# KiCad board klofi_3x5.kicad_pcb (continued)
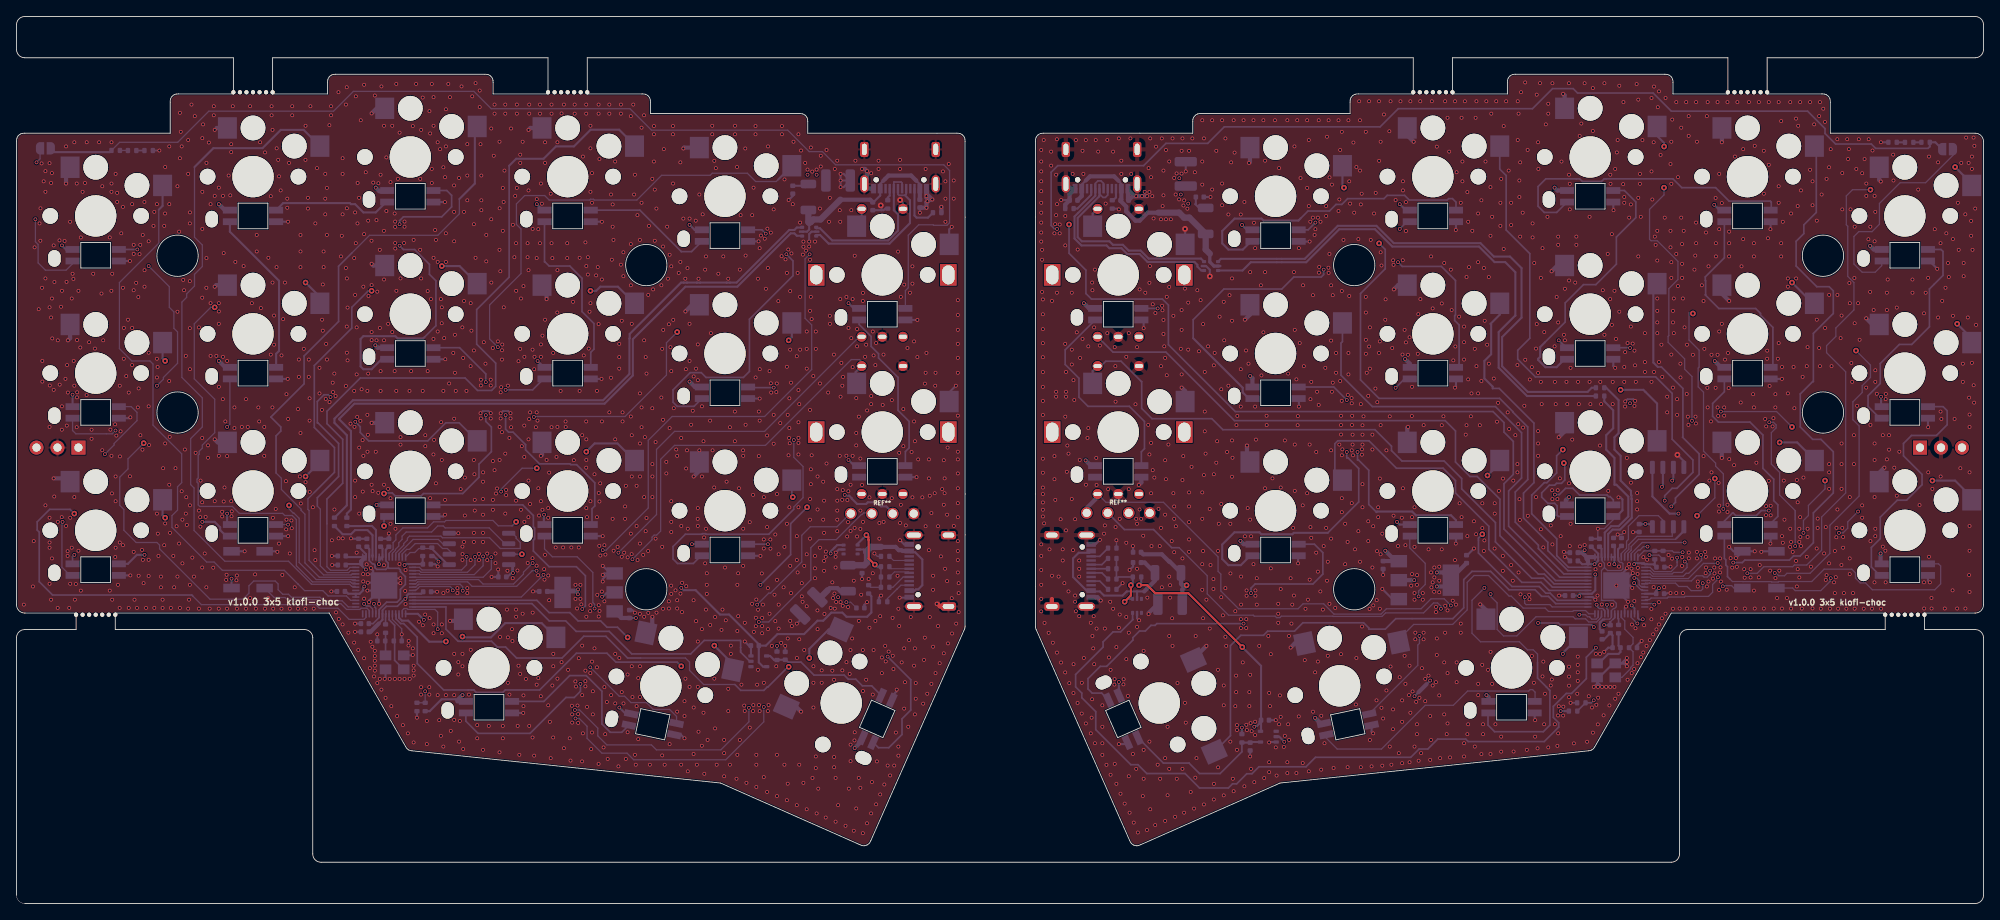
[diagram p0: board, top side]
## Routing (per net, layer and track width the routed paths; a pad name or vN(x,y) marks a point on that pad's centre or on a via; arc(x,y) is an arc through that point) (continued)
  Back w0.508: v1(6.23,68.25) 6.49,68.51 SW8.2 ; v1(102.39,89.02) 102.73,89.02 v1(103,88.75) 103,87.54 ; v1(62,93.75) 62.24,93.99 SW5.2 ; J3.B1 110.19,86.02 v1(110.89,85.32) ; J3.B1 v1(110.19,85.72) 110.19,85.55 110.41,85.32 v1(110.89,85.32) ; J3.B1 110.19,85.82 ; v1(63.5,54.25) 63.64,54.39 SW17.2 ; J3.A1 103.24,86.63 J3.S1 ; SW9.2 24.19,74.94 v1(24,74.75) ; SW3.2 24.24,93.99 ; v1(24,56.25) 24.36,55.89 SW15.2 ; R6.1 112,84.41 v1(111.99,84.42) ; 64.19,74.06 v1(64.19,73.25) ; v1(80.75,91.5) 80.85,91.6 SW6.2 ; SW21.2 94.4,23.85 v1(95,23.25) ; SW18.2 82.69,52.44 v1(82,51.75) ; SW12.2 81.8,72.55 v1(81,71.75) ; v1(43,77.52) 43.2,77.32 SW10.2 ; v1(110.89,85.32) 110.59,85.32 110.37,85.1 v1(110.3,85.1) 110.19,84.99 v1(110.19,84.32) 109.56,84.32 109.54,84.34 C7.2 ; v1(52.5,34.25) 53.91,34.25 ; v1(4.5,51.52) 6.09,51.52 ; 76.98,34.73 76.98,33.56 ; v1(6,87.25) 6,88.74 ; v1(43,58.25) 44.57,58.25 ; 43.62,96.37 v1(43,95.75)
  vias: v1(0.89,36.22) v1(1.99,38.42) v1(2.09,43.92) v1(2.19,79.52) v1(2.69,72.02) v1(2.79,82.42) v1(2.9,84.25) v1(2.89,80.32) v1(3.04,89.69) v1(3.09,74.62) v1(3.13,65.75) v1(3.13,63.25) v1(3.29,87.52) v1(3.5,88.75) v1(3.5,86.25) v1(3.5,75.75) v1(3.5,48.25) v1(4,89.72) v1(4,72.25) v1(4.03,62.78) v1(4,57.75) v1(4,46.75) v1(4,43.75) v1(4,43.12) v1(4,38.75) v1(4.19,87.32) v1(4.19,71.02) v1(4.19,36.82) v1(4.29,88.52) v1(4.29,73.32) v1(4.33,68.48) v1(4.29,41.82) v1(4.5,79.75) v1(4.5,62.25) v1(4.57,49.32) v1(4.59,75.32) v1(5,68.25) v1(5,46.25) v1(4.99,35.82) v1(5.2,80.36) v1(5.23,62.88) v1(5.39,72.32) v1(5.5,74.25) v1(5.5,60.25) v1(5.49,57.42) v1(5.48,46.82) v1(5.82,80.29) v1(5.93,63.58) v1(6,91.75) v1(6.06,75.33) v1(6,45.75) v1(6.13,65.25) v1(6.09,57.92) v1(6.22,61.92) v1(6.19,42.69) v1(6.19,42.12) v1(6.39,35.82) v1(6.49,82.62) v1(6.51,46.75) v1(6.5,38.75) v1(6.69,73.32) v1(6.69,43.12) v1(6.79,76.32) v1(6.89,75.69) v1(6.93,65.75) v1(7,92.25) v1(7,62.75) v1(7,49.25) v1(7.07,36.83) v1(7.19,38.72) v1(7.29,87.25) v1(7.33,68.28) v1(7.35,61.95) v1(7.32,61.34) v1(7.29,57.72) v1(7.5,74.25) v1(7.5,42.75) v1(7.73,67.38) v1(7.79,80.72) v1(7.79,37.92) v1(8,86.25) v1(8.29,87.32) v1(8.5,92.25) v1(8.49,61.62) v1(8.79,68.02) v1(9.09,57.42) v1(9.09,56.32) v1(9.29,76.32) v1(9.5,67.25) v1(10,92.25) v1(10.29,73.92) v1(10.39,86.92) v1(10.38,54.93) v1(10.5,68.25) v1(11.29,80.72) v1(11.37,57.42) v1(11.29,37.92) v1(11.5,92.25) v1(11.5,87.25) v1(11.5,86.25) v1(11.49,74.25) v1(11.5,54.25) v1(11.55,49.7) v1(11.59,76.32) v1(11.59,36.82) v1(11.94,58.07) v1(11.96,41.99) v1(12,88.42) v1(12,51.75) v1(12,48.75) v1(12,43.12) v1(12.09,56.7) v1(12.19,86.12) v1(12.19,85.02) v1(12.29,38.62) v1(12.5,62.75) v1(12.53,54.18) v1(12.5,43.75) v1(12.49,35.82) v1(12.6,57.22) v1(12.69,81.22) v1(12.89,84.42) v1(12.89,74.62) v1(12.89,43.42) v1(13,69.75) v1(12.99,66.02) v1(13.29,63.92) v1(13.5,70.75) v1(13.59,61.92) v1(13.59,35.82) v1(14,84.75) v1(14,69.75) v1(14,65.25) v1(14.19,79.82) v1(14.19,78.72) v1(14.19,74.32) v1(14.19,42.62) v1(14.29,36.82) v1(14.49,75.22) v1(14.59,35.82) v1(14.75,73.5) v1(14.69,60.12) v1(14.79,62.42) v1(14.79,39.72) v1(14.9,78.7) v1(14.99,79.82) v1(15,56.75) v1(15.25,55) v1(15.2,42.85) v1(15.29,81.02) v1(15.3,41.65) v1(15.39,38.82) v1(15.49,85.02) v1(15.5,76.75) v1(15.5,74.75) v1(15.69,35.82) v1(16,80.25) v1(16,66.75) v1(16,60.25) v1(16.05,55.55) v1(16,41.65) v1(16,39.69) v1(16.59,82.12) v1(16.69,83.82) v1(16.69,35.82) v1(17,84.75) v1(17,66.02) v1(17,63.75) v1(17,47.25) v1(17.09,65.02) v1(17.11,44.82) v1(17.19,42.12) v1(17.49,39.62) v1(17.49,38.32) v1(17.75,52.75) v1(17.69,36.82) v1(17.69,35.82) v1(17.89,82.12) v1(17.89,43.42) v1(18,89.25) v1(17.99,83.62) v1(18,55.75) v1(18,46.06) v1(18.5,91.75) v1(18.5,84.75) v1(18.49,63.32) v1(18.55,56.55) v1(18.5,50.75) v1(18.59,44.92) v1(18.69,35.82) v1(18.99,42.12) v1(19.09,38.32) v1(19.25,52.75) v1(19.39,45.72) v1(19.49,86.92) v1(19.49,71.72) v1(19.49,39.62) v1(19.69,81.42) v1(19.69,43.62) v1(19.79,95.82) v1(19.79,90.32) v1(19.79,35.82) v1(19.89,93.52) v1(20,91.75) v1(20,49.96) v1(20.09,46.52) v1(20.09,41.22) v1(20.19,75.57) v1(20.29,74.32) v1(20.39,55.02) v1(20.5,66.36) v1(20.56,49.23) v1(20.5,47.25) v1(20.63,45.88) v1(20.79,92.52) v1(20.79,88.42) v1(20.79,35.73) v1(20.89,36.82) v1(21,83.75) v1(20.99,82.42) v1(20.99,75.42) v1(20.99,69.72) v1(21,64.75) v1(21,48.25) v1(20.99,38.62) v1(21.19,96.82) v1(21.29,41.92) v1(21.49,39.62) v1(21.59,95.42) v1(21.69,54.62) v1(22.09,69.82) v1(22.09,47.62) v1(22.09,35.73) v1(22.25,46.82) v1(22.27,45.67) v1(22.29,51.25) v1(22.5,92.75) v1(22.5,86.25) v1(22.5,81.75) v1(22.49,73.42) v1(22.49,56.42) v1(22.49,48.62) v1(22.49,40.72) v1(22.59,94.42) v1(22.79,42.42) v1(22.9,46.85) v1(23,89.75) v1(23,78.22) v1(22.99,74.62) v1(22.99,38.32) v1(23.19,55.52) v1(23.19,54.02) v1(23.29,92.22) v1(23.39,35.73) v1(23.5,84.75) v1(23.5,72.75) v1(23.5,66.36) v1(23.83,40.7) v1(23.89,96.62) v1(23.89,95.52) v1(24,85.75) v1(24,48.75) v1(24.2,66.36) v1(24.5,86.75) v1(24.5,72.75) v1(24.5,71.75) v1(24.5,70.25) v1(24.5,62.62) v1(24.5,54.25) v1(24.49,35.73) v1(24.9,47.48) v1(24.9,46.9) v1(25,85.75) v1(25,66.25) v1(24.99,61.12) v1(25.09,78.82) v1(25.09,48.72) v1(25.19,50.42) v1(25.29,58.42) v1(25.44,39.84) v1(25.39,39.22) v1(25.5,65.75) v1(25.5,54.22) v1(25.49,35.73) v1(25.69,88.22) v1(25.89,85.82) v1(26,92.02) v1(26,91.06) v1(26,48.75) v1(26.06,47.52) v1(26.04,46.93) v1(26.19,96.62) v1(26.39,60.12) v1(26.39,57.62) v1(26.5,77.75) v1(26.63,39.17) v1(26.69,39.75) v1(26.69,35.73) v1(27.28,57.75) v1(27.5,77.25) v1(27.79,61.12) v1(27.79,35.73) v1(28,57.75) v1(28.29,96.62) v1(28.29,37.02) v1(28.5,72.75) v1(28.89,39.89) v1(28.99,35.73) v1(29.09,81.02) v1(29.09,79.02) v1(29.29,60.12) v1(29.39,58.42) v1(29.5,92.25) v1(29.59,72.16) v1(30,57.75) v1(30,54.25) v1(30.09,91.02) v1(30.09,35.73) v1(30.5,78.25) v1(30.49,37.02) v1(30.79,85.72) v1(30.79,66.52) v1(30.89,96.62) v1(30.89,95.52) v1(31,93.75) v1(31,75.25) v1(30.99,60.12) v1(31.05,46.74) v1(31.09,35.73) v1(31.19,71.25) v1(31.19,67.72) v1(31.39,47.82) v1(31.5,91.52) v1(31.49,77.12) v1(31.69,90.12) v1(31.79,88.12) v1(31.79,43.62) v1(31.99,86.42) v1(32.09,66.42) v1(32.09,35.73) v1(32.19,39.82) v1(32.29,70.82) v1(32.5,75.25) v1(32.63,51.18) v1(32.66,45.34) v1(32.69,61.72) v1(32.69,46.52) v1(32.79,85.42) v1(32.79,84.32) v1(32.89,58.72) v1(33,89.75) v1(33.09,42.42) v1(33.09,35.73) v1(33.29,46.42) v1(33.33,45.48) v1(33.39,96.62) v1(33.39,95.52) v1(33.69,38.32) v1(34.09,59.92) v1(34.09,35.73) v1(34.19,65.92) v1(34.19,63.82) v1(34.31,51.75) v1(34.39,81.02) v1(34.39,79.02) v1(34.39,77.12) v1(34.39,57.02) v1(34.43,48.48) v1(34.79,67.22) v1(35,94.25) v1(34.99,90.12) v1(35,51.06) v1(34.99,35.73) v1(35.29,85.52) v1(35.29,84.22) v1(35.39,65.92) v1(35.39,63.82) v1(35.49,61.22) v1(35.49,58.52) v1(35.5,49.88) v1(35.59,96.62) v1(35.89,48.02) v1(35.99,35.73) v1(36.09,42.82) v1(36.19,82.42) v1(36.19,41.62) v1(36.39,89.12) v1(36.69,64.92) v1(36.69,61.82) v1(37,70.75) v1(36.99,59.82) v1(37.09,75.02) v1(37.09,69.42) v1(37.19,79.02) v1(37.19,77.12) v1(37.39,88.42) v1(37.39,85.42) v1(37.39,83.52) v1(37.44,61.15) v1(37.49,67.82) v1(37.59,86.72) v1(37.59,81.02) v1(37.59,65.92) v1(37.89,94.32) v1(37.9,60.77) v1(38.09,96.62) v1(38.09,95.52) v1(38.19,44.02) v1(38.29,63.12) v1(38.33,61.98) v1(38.49,64.22) v1(38.5,47.75) v1(38.64,61.5) v1(38.69,35.28) v1(38.99,98.32) v1(39,44.25) v1(39.03,34.48) v1(39.29,78.42) v1(39.39,80.92) v1(39.49,90.32) v1(39.49,88.42) v1(39.49,83.52) v1(39.5,44.25) v1(39.49,33.82) v1(39.89,96.82) v1(39.89,77.02) v1(39.89,62.72) v1(39.99,98.92) v1(40,84.25) v1(40,75.75) v1(39.99,69.92) v1(40,66.75) v1(40.09,72.22) v1(40.09,65.82) v1(40.19,32.82) v1(40.44,58.15) v1(40.89,78.22) v1(40.89,62.12) v1(40.92,57.76) v1(40.89,31.62) v1(41,83.75) v1(41,73.75) v1(41,51.25) v1(41,49.25) v1(41.09,97.82) v1(41.09,80.02) v1(41.19,69.82) v1(41.19,64.12) v1(41.26,58.96) v1(41.19,42.52) v1(41.31,87.32) v1(41.29,82.42) v1(41.39,30.72) v1(41.49,85.52) v1(41.5,55.25) v1(41.5,47.25) v1(41.64,58.48) v1(41.69,94.92) v1(41.79,62.32) v1(41.91,56.16) v1(41.92,49.92) v1(41.97,39.92) v1(42,74.75) v1(42,54.25) v1(41.99,39.03) v1(42.09,99.22) v1(42.09,81.12) v1(42.09,36.94) v1(42.09,29.72) v1(42.29,88.62) v1(42.4,41.1) v1(42.49,62.12) v1(42.49,59.22) v1(42.55,56.8) v1(42.5,54.75) v1(42.59,82.75) v1(42.62,73.63) v1(42.59,64.22) v1(42.79,28.52) v1(42.89,31.72) v1(42.99,80.32) v1(43,74.94) v1(43,69.25) v1(43,68.27) v1(43,50.75) v1(43.12,49.97) v1(43.09,31.12) v1(43.2,87.36) v1(43.29,27.52) v1(43.39,97.92) v1(43.39,30.62) v1(43.39,29.99) v1(43.39,29.42) v1(43.39,28.82) v1(43.39,28.22) v1(43.5,54.75) v1(43.59,82.82) v1(43.6,68.25) v1(43.69,74.15) v1(43.69,26.72) v1(43.82,87.29) v1(43.81,49.78) v1(43.99,79.22) v1(44,69.75) v1(43.99,27.22) v1(44.09,88.32) v1(44.09,64.52) v1(44.09,62.12) v1(44.19,99.02) v1(44.19,25.92) v1(44.5,94.25) v1(44.49,81.52) v1(44.5,75.62) v1(44.5,68.25) v1(44.5,50.75) v1(44.5,40.99) v1(44.69,24.92) v1(44.79,90.42) v1(44.79,83.92) v1(45,70.25) v1(45,50.25) v1(45.19,27.22) v1(45.29,87.42) v1(45.29,49.12) v1(45.29,46.02) v1(45.39,23.92) v1(45.5,94.25) v1(45.5,69.25) v1(45.79,83.62) v1(45.85,82.64) v1(45.85,82) v1(45.85,80.04) v1(45.87,79.37) v1(45.79,64.52) v1(45.81,27.22) v1(45.89,45.42) v1(45.99,99.32) v1(46,74.25) v1(45.99,62.12) v1(46.09,22.72) v1(46.19,87.82) v1(46.37,41.13) v1(46.39,93.42) v1(46.39,27.22) v1(46.5,75.75) v1(46.5,56.52) v1(46.5,55.61) v1(46.79,21.62) v1(46.92,80.04) v1(46.99,82.64) v1(46.99,82.02) v1(47.07,37.87) v1(46.99,27.22) v1(47.11,40.41) v1(47.11,36.29) v1(47.47,31.27) v1(47.39,20.62) v1(47.49,31.82) v1(47.59,62.12) v1(47.61,27.22) v1(47.79,64.52) v1(47.99,94.22) v1(47.99,30.92) v1(48.09,80.42) v1(48.09,28.82) v1(48.09,28.24) v1(48.09,27.62) v1(48.09,19.52) v1(48.39,99.32) v1(48.74,34.15) v1(48.89,87.82) v1(48.89,79.22) v1(49,93.75) v1(49,75.75) v1(48.99,26.22) v1(48.99,25.32) v1(49.19,97.67) v1(49.19,62.12) v1(49.2,33.72) v1(49.5,56.75) v1(49.5,55.42) v1(49.49,35.02) v1(49.69,22.12) v1(49.69,19.32) v1(49.79,74.22) v1(49.79,64.52) v1(50,96.02) v1(50.03,34.58) v1(49.99,26.22) v1(49.99,25.32) v1(50.09,93.32) v1(50.09,49.12) v1(50.19,73.25) v1(50.29,99.32) v1(50.29,89.02) v1(50.29,87.32) v1(50.5,97.72) v1(50.5,94.25) v1(50.5,78.25) v1(50.49,68.42) v1(50.56,56.19) v1(50.49,54.42) v1(50.5,33.82) v1(50.5,32.75) v1(50.69,81.62) v1(50.79,80.42) v1(50.79,50.92) v1(51,92.25) v1(51,77.75) v1(51,69.32) v1(51,25.25) v1(51.19,22.22) v1(51.29,91.42) v1(51.39,73.25) v1(51.42,58.33) v1(51.39,20.32) v1(51.5,72.25) v1(51.49,70.32) v1(51.5,53.75) v1(51.5,33.82) v1(51.5,32.75) v1(51.69,89.22) v1(51.69,62.12) v1(51.69,37.62) v1(51.69,19.02) v1(51.79,68.52) v1(51.89,88.02) v1(51.89,48.92) v1(52,96.25) v1(52,91.75) v1(51.99,81.22) v1(52,77.75) v1(52,25.25) v1(52.2,37.91) v1(52.29,99.32) v1(52.39,63.02) v1(52.49,97.72) v1(52.59,20.92) v1(52.89,66.72) v1(52.99,87.02) v1(52.99,83.82) v1(53,80.25) v1(53,58.75) v1(53,30.25) v1(53,25.25) v1(53,22.25) v1(53.09,68.92) v1(53.09,64.32) v1(53.19,62.12) v1(53.39,38.22) v1(53.39,37.62) v1(53.5,29.25) v1(53.5,27.75) v1(53.59,87.92) v1(53.59,19.62) v1(53.69,22.12) v1(53.79,50.22) v1(53.89,99.02) v1(53.99,69.82) v1(54,43.25) v1(54.01,42.34) v1(54,41.64) v1(54,30.25) v1(54,28.75) v1(54.09,66.12) v1(54.09,18.72) v1(54.19,83.82) v1(54.19,73.02) v1(54.19,43.82) v1(54.29,51.62) v1(54.29,47.02) v1(54.49,62.12) v1(54.59,92.02) v1(54.59,88.22) v1(54.59,85.22) v1(54.59,38.22) v1(54.59,37.62) v1(54.79,25.32) v1(55,72.75) v1(54.99,65.12) v1(54.99,41.62) v1(55,30.75) v1(55.09,69.42) v1(55.19,97.82) v1(55.39,82.32) v1(55.39,67.02) v1(55.39,53.75) v1(55.45,52.02) v1(55.39,44.92) v1(55.39,43.82) v1(55.49,48.92) v1(55.49,47.62) v1(55.59,99.42) v1(55.59,78.25) v1(55.79,21.62) v1(55.79,20.02) v1(56,42.38) v1(56,41.62) v1(56.09,98.52) v1(56.09,96.52) v1(56.19,92.02) v1(56.23,63.48) v1(56.23,62.78) v1(56.23,58.78) v1(56.29,88.22) v1(56.29,85.22) v1(56.29,84.02) v1(56.5,52.25) v1(56.49,51.12) v1(56.49,49.02) v1(56.49,47.12) v1(56.49,44.92) v1(56.49,43.82) v1(56.49,18.62) v1(56.59,68.02) v1(56.79,65.42) v1(56.89,81.02) v1(56.89,77.82) v1(57,42.41) v1(57,41.62) v1(57.19,21.52) v1(57.43,63.48) v1(57.43,62.78) v1(57.43,58.78) v1(57.49,93.92) v1(57.49,82.92) v1(57.5,75.25) v1(57.67,67.32) v1(57.69,53.62) v1(57.69,48.92) v1(57.69,47.72) v1(57.79,90.62) v1(57.89,96.82) v1(57.89,95.72) v1(57.89,52.52) v1(58.06,49.68) v1(58,42.42) v1(58,41.25) v1(58.19,50.29) v1(58.29,68.12) v1(58.49,92.32) v1(58.5,84.25) v1(58.49,79.22) v1(58.5,57.75) v1(58.5,53.75) v1(58.55,32.3) v1(58.49,18.32) v1(58.59,76.62) v1(58.63,61.95) v1(58.63,58.78) v1(58.69,62.57) v1(58.82,67.74) v1(58.79,67.04) v1(58.79,65.92) v1(58.79,57.12) v1(58.89,86.72) v1(58.89,81.52) v1(58.89,21.52) v1(58.89,20.02) v1(58.99,85.02) v1(59,72.25) v1(59.09,88.82) v1(59.19,96.82) v1(59.19,95.72) v1(59.19,54.52) v1(59.19,47.25) v1(59.29,50.12) v1(59.29,49.49) v1(59.45,40.33) v1(59.39,35.62) v1(59.5,62.76) v1(59.5,32.25) v1(59.5,26.75) v1(59.69,56.42) v1(59.69,25.32) v1(59.83,58.78) v1(59.89,93.92) v1(59.89,57.72) v1(60,33.25) v1(60.05,31.8) v1(60.11,82.25) v1(60.09,39.42) v1(60.29,78.32) v1(60.39,85.75) v1(60.49,80.02) v1(60.5,74.25) v1(60.49,48.82) v1(60.49,35.62) v1(60.5,34.75) v1(60.59,96.82) v1(60.59,95.72) v1(60.59,86.72) v1(60.66,40.35) v1(60.69,21.52) v1(60.79,65.72) v1(60.79,28.82) v1(60.89,18.02) v1(61,90.75) v1(61,89.75) v1(60.99,67.22) v1(60.99,27.82) v1(61.09,73.32) v1(61.09,47.72) v1(61.19,55.42) v1(61.29,92.32) v1(61.29,35.12) v1(61.39,74.82) v1(61.39,25.22) v1(61.39,23.92) v1(61.5,66.25) v1(61.49,57.92) v1(61.49,54.12) v1(61.5,46.25) v1(61.69,27.22) v1(61.89,80.02) v1(61.89,78.32) v1(61.9,41.27) v1(62,86.42) v1(62,76.75) v1(62.07,58.71) v1(62,56.25) v1(62,51.25) v1(61.99,46.82) v1(62.09,96.82) v1(62.09,95.72) v1(62.09,21.52) v1(62.19,59.52) v1(62.19,48.42) v1(62.5,81.75) v1(62.49,67.12) v1(62.48,41.85) v1(62.5,35.25) v1(62.49,20.12) v1(62.72,66.25) v1(62.69,64.75) v1(62.69,17.92) v1(62.89,57.72) v1(63,85.36) v1(62.99,78.22) v1(62.99,59.52) v1(62.98,40.94) v1(62.99,26.52) v1(63.09,58.52) v1(63.16,39.78) v1(63.19,81.72) v1(63.19,50.32) v1(63.27,47.02) v1(63.19,27.32) v1(63.39,96.82) v1(63.39,95.72) v1(63.39,80.02) v1(63.5,87.25) v1(63.5,67.75) v1(63.5,66.25) v1(63.5,48.75) v1(63.49,25.12) v1(63.62,84.81) v1(63.69,68.82) v1(63.69,47.72) v1(63.89,40.52) v1(63.93,39.25) v1(64,92.25) v1(64,89.75) v1(64,70.75) v1(64,42.25) v1(64.19,53.75) v1(64.39,47.92) v1(64.39,46.74) v1(64.39,39.75) v1(64.39,24.02) v1(64.5,52.22) v1(64.5,36.75) v1(64.59,22.02) v1(64.69,86.02) v1(64.69,17.62) v1(64.79,96.82) v1(64.79,95.72) v1(64.79,80.02) v1(64.79,57.72) v1(64.89,78.22) v1(64.89,26.42) v1(64.99,66.72) v1(65,30.25) v1(65,28.75) v1(64.99,20.12) v1(65.29,43.15) v1(65.39,54.12) v1(65.5,92.25) v1(65.5,76.75) v1(65.49,71.62) v1(65.5,57.75) v1(65.5,27.25) v1(65.89,62.12) v1(66,95.75) v1(66,29.25) v1(66.19,43.15) v1(66.29,96.82) v1(66.29,18.82) v1(66.49,58.42) v1(66.5,57.75) v1(66.69,80.02) v1(66.69,78.22) v1(66.79,28.32) v1(66.99,20.02) v1(67.09,17.32) v1(67.19,43.15) v1(67.26,23.96) v1(67.29,22.92) v1(67.29,21.92) v1(67.39,72.92) v1(67.49,53.72) v1(67.59,96.82) v1(67.59,95.72) v1(67.69,38.62) v1(67.69,36.92) v1(67.68,26.92) v1(67.75,26.3) v1(67.88,35.75) v1(67.93,23.99) v1(68.01,22.95) v1(68.01,21.88) v1(68.09,43.15) v1(68.09,29.72) v1(68.19,78.25) v1(68.19,62.12) v1(68.29,38.62) v1(68.29,36.92) v1(68.39,36.25) v1(68.5,56.75) v1(68.5,31.25) v1(68.5,25.25) v1(68.49,17.22) v1(68.59,90.52) v1(68.59,20.62) v1(68.69,66.42) v1(68.89,80.12) v1(68.89,28.22) v1(68.89,26.94) v1(68.89,26.32) v1(68.99,96.82) v1(68.99,95.72) v1(69,77.25) v1(68.99,58.42) v1(69,56.25) v1(69,53.75) v1(68.99,52.82) v1(69,47.92) v1(69,34.75) v1(69.08,46.82) v1(69.09,23.82) v1(69.19,78.32) v1(69.19,76.22) v1(69.29,67.25) v1(69.39,71.72) v1(69.46,35.43) v1(69.5,94.25) v1(69.5,91.52) v1(69.5,86.25) v1(69.5,72.75) v1(69.5,48.75) v1(69.5,36.15) v1(69.49,27.92) v1(69.59,18.72) v1(69.69,88.52) v1(69.69,84.92) v1(69.69,29.32) v1(69.69,20.72) v1(69.79,25.72) v1(69.79,22.92) v1(69.99,52.02) v1(69.99,30.92) v1(70.19,76.12) v1(70.29,62.12) v1(70.29,46.82) v1(70.33,37.41) v1(70.29,28.62) v1(70.39,77.12) v1(70.49,96.82) v1(70.49,95.72) v1(70.49,70.22) v1(70.5,49.75) v1(70.57,43.34) v1(70.5,36.15) v1(70.5,34.78) v1(70.49,16.92) v1(70.59,90.22) v1(70.59,48.72) v1(70.6,35.45) v1(70.69,50.92) v1(70.7,42.17) v1(70.89,75.62) v1(70.89,58.42) v1(70.88,37.8) v1(71.09,18.92) v1(71.19,43.42) v1(71.19,36.62) v1(71.19,26.22) v1(71.31,42.28) v1(71.29,20.52) v1(71.49,24.42) v1(71.59,17.52) v1(71.79,96.82) v1(71.79,95.72) v1(71.79,59.52) v1(71.99,85.92) v1(71.99,63.72) v1(72,25.25) v1(72.09,78.02) v1(72.19,84.72) v1(72.19,82.02) v1(72.19,46.62) v1(72.29,80.42) v1(72.31,42.75) v1(72.49,89.92) v1(72.5,56.25) v1(72.5,30.25) v1(72.5,24.25) v1(72.79,43.22) v1(72.89,16.62) v1(72.99,67.82) v1(72.99,66.22) v1(72.99,64.82) v1(73,29.75) v1(73.19,96.82) v1(73.19,95.72) v1(73.19,77.42) v1(73.29,70.62) v1(73.29,42.02) v1(73.29,25.62) v1(73.39,59.52) v1(73.39,58.42) v1(73.49,78.92) v1(73.49,76.02) v1(73.5,24.25) v1(73.59,42.52) v1(73.69,48.12) v1(73.69,46.62) v1(73.79,50.62) v1(73.79,17.52) v1(74.01,41.95) v1(74,27.75) v1(74,20.75) v1(74.39,95.42) v1(74.39,79.92) v1(74.39,74.92) v1(74.39,59.02) v1(74.39,44.82) v1(74.5,70.25) v1(74.5,56.75) v1(74.5,51.75) v1(74.48,42.34) v1(74.5,28.75) v1(74.59,25.02) v1(74.69,96.82) v1(74.79,85.92) v1(74.89,88.32) v1(74.89,18.02) v1(74.99,16.82) v1(75.09,50.62) v1(75.09,45.75) v1(75.09,23.92) v1(75.19,83.42) v1(75.2,41.62) v1(75.29,27.32) v1(75.29,19.92) v1(75.49,80.42) v1(75.49,61.82) v1(75.5,55.75) v1(75.5,51.75) v1(75.49,43.62) v1(75.48,35.1) v1(75.5,28.75) v1(75.5,25.02) v1(75.69,94.02) v1(75.69,84.92) v1(75.69,60.12) v1(75.69,57.72) v1(75.89,42.25) v1(75.99,95.52) v1(76,68.25) v1(76,49.25) v1(76,34.75) v1(76.09,56.52) v1(76.19,66.22) v1(76.19,45.12) v1(76.29,64.22) v1(76.29,46.72) v1(76.5,73.75) v1(76.49,42.72) v1(76.5,35.22) v1(76.59,82.12) v1(76.69,16.82) v1(76.99,87.82) v1(76.99,60.02) v1(77,53.25) v1(77,51.75) v1(77,49.25) v1(77.09,74.42) v1(77.19,94.22) v1(77.19,93.22) v1(77.19,89.92) v1(77.29,86.52) v1(77.29,80.32) v1(77.39,55.92) v1(77.39,44.22) v1(77.49,84.22) v1(77.5,35.25) v1(78.09,74.92) v1(78.09,61.32) v1(78.19,67.22) v1(78.19,43.22) v1(78.19,17.95) v1(78.29,79.62) v1(78.31,69.51) v1(78.29,58.62) v1(78.29,35.72) v1(78.39,91.42) v1(78.49,16.82) v1(78.69,53.52) v1(78.69,52.12) v1(78.79,82.02) v1(78.89,75.72) v1(79,70.19) v1(78.99,36.62) v1(79,35.75) v1(79.09,78.62) v1(79.09,57.62) v1(79.09,19.32) v1(79.19,67.42) v1(79.27,38.52) v1(79.29,77.22) v1(79.29,64.52) v1(79.29,48.75) v1(79.29,46.25) v1(79.29,45.02) v1(79.29,37.52) v1(79.49,94.22) v1(79.49,93.22) v1(79.5,87.25) v1(79.53,70.72) v1(79.59,60.02) v1(79.8,37.95) v1(79.89,55.02) v1(80,54.25) v1(80,36.75) v1(80,35.75) v1(80,23.25) v1(80.19,76.42) v1(80.39,89.82) v1(80.39,77.75) v1(80.4,37.55) v1(80.49,56.42) v1(80.5,45.75) v1(80.49,16.82) v1(80.6,38.87) v1(80.59,35.32) v1(80.75,83) v1(80.89,24.52) v1(80.89,22.72) v1(80.99,75.72) v1(81.06,64.75) v1(81,27.25) v1(81.09,52.72) v1(81.1,38.45) v1(81.25,77) v1(81.19,54.92) v1(81.29,45.42) v1(81.29,16.02) v1(81.5,83) v1(81.5,70.25) v1(81.5,65.75) v1(81.5,26.25) v1(81.69,58.02) v1(81.89,59.72) v1(82,63.88) v1(81.99,36.75) v1(82,23.75) v1(81.99,18.12) v1(82.25,82.75) v1(82.29,64.82) v1(82.29,34.22) v1(82.39,16.82) v1(82.5,67.75) v1(82.5,63.42) v1(82.5,47.92) v1(82.49,46.62) v1(82.5,45.75) v1(82.5,31.75) v1(82.5,26.25) v1(82.59,75.72) v1(82.59,20.82) v1(82.69,85.92) v1(82.69,54.92) v1(83,60.25) v1(83,51.75) v1(83,33.25) v1(82.99,19.12) v1(83.09,83.52) v1(83.19,56.02) v1(83.25,44.36) v1(83.19,23.12) v1(83.29,15.72) v1(83.39,76.82) v1(83.39,41.22) v1(83.49,78.42) v1(83.5,45.42) v1(83.49,35.62) v1(83.59,40.02) v1(83.59,38.62) v1(83.59,37.52) v1(83.69,19.82) v1(83.99,58.52) v1(84,33.75) v1(84.09,69.12) v1(84.25,94.25) v1(84.25,93.22) v1(84.29,54.92) v1(84.5,90) v1(84.49,50.42) v1(84.5,27.25) v1(84.59,34.72) v1(84.59,21.22) v1(84.69,89.12) v1(84.79,16.82) v1(84.99,76.32) v1(85.37,33.15) v1(85.49,35.62) v1(85.59,78.42) v1(85.69,19.82) v1(85.69,18.22) v1(85.69,15.42) v1(85.79,40.72) v1(85.89,34.32) v1(85.99,51.12) v1(86.19,75.72) v1(86.19,26.02) v1(86.19,23.32) v1(86.39,57.72) v1(86.39,16.82) v1(86.5,31.25) v1(86.5,30.25) v1(87,94.25) v1(87,93.22) v1(86.99,59.62) v1(86.99,56.02) v1(87.25,89.25) v1(87.19,15.12) v1(87.29,38.62) v1(87.29,33.02) v1(87.29,18.02) v1(87.39,40.02) v1(87.39,34.82) v1(87.49,50.32) v1(87.59,76.82) v1(87.59,19.82) v1(87.69,83.42) v1(87.79,26.52) v1(87.99,54.92) v1(88,54.25) v1(88,45.42) v1(87.99,40.92) v1(88.12,23.98) v1(88.25,91.5) v1(88.19,34.02) v1(88.18,23.33) v1(88.29,78.52) v1(88.29,58.02) v1(88.39,14.62) v1(88.79,46.22) v1(88.79,21.32) v1(89.07,36.32) v1(89.09,83.42) v1(89.25,86.75) v1(89.19,49.52) v1(89.22,24.04) v1(89.19,23.32) v1(89.29,32.92) v1(89.49,94.22) v1(89.49,93.22) v1(89.5,63.75) v1(89.53,34.63) v1(89.53,33.61) v1(89.58,36.84) v1(89.59,18.02) v1(89.59,16.82) v1(89.59,14.12) v1(89.69,26.52) v1(89.79,75.72) v1(89.79,35.6) v1(89.79,28.32) v1(89.89,59.62) v1(89.89,54.22) v1(89.91,24.05) v1(89.99,79.42) v1(90,64.75) v1(89.99,58.52) v1(89.99,23.32) v1(90.14,80.95) v1(90.25,40) v1(90.29,34.62) v1(90.29,33.62) v1(90.29,32.75) v1(90.39,36.22) v1(90.5,49.25) v1(90.49,44.12) v1(90.49,43.02) v1(90.5,26.75) v1(90.49,15.32) v1(90.6,80.57) v1(90.75,74.5) v1(90.93,81.78) v1(90.89,56.72) v1(90.89,45.62) v1(90.89,13.52) v1(91,91.75) v1(90.99,77.02) v1(90.99,38.22) v1(91,33.25) v1(91.07,24.05) v1(90.99,23.32) v1(91.19,64.52) v1(91.19,35.12) v1(91.34,81.3) v1(91.34,63.04) v1(91.29,44.12) v1(91.3,43) v1(91.39,61.92) v1(91.46,31.22) v1(91.69,84.12) v1(91.69,59.22) v1(91.69,55.72) v1(91.79,37.42) v1(91.89,44.72) v1(91.89,34.22) v1(92.06,63.02) v1(92.01,61.98) v1(92,28.75) v1(92.09,49.62) v1(92.09,39.22) v1(92.09,18.02) v1(92.09,13.02) v1(92.25,73) v1(92.29,42.32) v1(92.29,36.22) v1(92.29,33.32) v1(92.49,58.22) v1(92.64,78.45) v1(92.59,31.58) v1(92.69,94.22) v1(92.69,93.22) v1(92.89,38.32) v1(93,87.75) v1(92.99,43.22) v1(92.99,16.82) v1(93.12,78.06) v1(93.29,76.42) v1(93.29,65.05) v1(93.29,46.02) v1(93.29,12.52) v1(93.46,79.26) v1(93.39,59.22) v1(93.39,32.12) v1(93.39,14.52) v1(93.55,56.41) v1(93.49,54.32) v1(93.59,61.22) v1(93.59,57.62) v1(93.63,55.77) v1(93.59,48.02) v1(93.69,74.22) v1(93.69,67.12) v1(93.69,40.92) v1(93.69,34.25) v1(93.84,78.78) v1(93.79,63.12) v1(93.79,37.62) v1(93.89,33.62) v1(94,84.75) v1(94.09,92.32) v1(94.49,66.32) v1(94.49,44.52) v1(94.49,41.62) v1(94.5,29.75) v1(94.49,11.92) v1(94.59,76.42) v1(94.59,40.12) v1(94.69,93.22) v1(94.69,62.22) v1(94.69,58.32) v1(94.69,56.42) v1(94.69,55.82) v1(94.69,54.42) v1(94.69,48.02) v1(94.79,60.52) v1(94.79,32.02) v1(94.79,16.82) v1(94.89,82.52) v1(94.89,73.52) v1(94.89,67.12) v1(95,91.25) v1(95.09,38.82) v1(95.09,37.22) v1(95.22,78.63) v1(95.19,36.57) v1(95.29,80.22) v1(95.29,79.59) v1(95.29,14.62) v1(95.39,40.92) v1(95.39,30.72) v1(95.5,89.75) v1(95.61,79.12) v1(95.69,69.32) v1(95.69,67.22) v1(95.69,64.82) v1(95.69,42.32) v1(95.69,36.02) v1(95.69,11.42) v1(95.79,88.94) v1(95.99,79.62) v1(96.09,78.02) v1(96.09,71.82) v1(96.09,59.82) v1(96.09,49.02) v1(96.09,46.52) v1(96.09,44.22) v1(96.19,91.62) v1(96.19,73.52) v1(96.19,52.62) v1(96.19,50.82) v1(96.36,88.7) v1(96.29,70.82) v1(96.29,54.32) v1(96.39,15.22) v1(96.49,63.92) v1(96.5,28.75) v1(96.5,26.75) v1(96.5,23.75) v1(96.69,80.22) v1(96.69,42.12) v1(96.69,40.62) v1(96.69,39.42) v1(96.79,69.32) v1(96.79,67.22) v1(96.79,17.82) v1(96.79,16.42) v1(96.89,88.94) v1(96.89,10.92) v1(97,51.75) v1(97,47.75) v1(96.99,35.52) v1(97,33.25) v1(97.09,13.92) v1(97.29,84.22) v1(97.29,63.02) v1(97.29,43.12) v1(97.39,90.62) v1(97.39,89.32) v1(97.5,28.25) v1(97.5,26.75) v1(97.69,51.12) v1(97.69,46.52) v1(97.79,48.82) v1(97.79,44.92) v1(97.79,41.52) v1(97.79,40.32) v1(97.83,35.1) v1(98.01,42.65) v1(97.99,42.02) v1(97.99,10.42) v1(98.09,91.32) v1(98.09,53.32) v1(98.29,61.92) v1(98.39,82.62) v1(98.49,85.52) v1(98.49,71.22) v1(98.5,70.25) v1(98.59,35.82) v1(98.79,38.92) v1(98.87,37.02) v1(98.79,28.22) v1(98.99,66.52) v1(99.05,37.56) v1(99,27.12) v1(99,17.75) v1(99,16.51) v1(99.09,89.02) v1(99.08,35.74) v1(99.19,42.02) v1(99.19,40.72) v1(99.26,36.54) v1(99.19,15.22) v1(99.19,9.92) v1(99.39,90.02) v1(99.39,50.22) v1(99.39,48.82) v1(99.39,47.62) v1(99.39,46.52) v1(99.39,45.12) v1(99.49,11.92) v1(99.69,84.02) v1(99.75,82.62) v1(99.75,73.25) v1(99.69,54.25) v1(99.79,61.42) v1(99.79,36.52) v1(99.89,65.52) v1(100,62.75) v1(100.06,50.1) v1(99.99,48.92) v1(100.05,36.08) v1(100,28.25) v1(100.09,63.82) v1(100.39,9.42) v1(100.5,73.5) v1(100.49,54.27) v1(100.5,29.25) v1(100.61,48.89) v1(100.59,44.48) v1(100.75,69.75) v1(100.73,49.96) v1(100.69,46.22) v1(100.69,35.93) v1(100.79,13.92) v1(100.89,27.82) v1(101,50.75) v1(101,45.15) v1(100.99,30.72) v1(101,19.25) v1(101,17.25) v1(101.09,84.02) v1(101.09,68.52) v1(101.25,73.25) v1(101.25,65) v1(101.25,54.25) v1(101.19,32.12) v1(101.39,39.12) v1(101.47,19.76) v1(101.39,8.82) v1(101.5,78.5) v1(101.49,45.52) v1(101.5,20.75) v1(101.59,90.02) v1(101.69,61.25) v1(101.69,57.02) v1(101.69,55.52) v1(101.69,11.52) v1(101.79,69.62) v1(101.79,67.52) v1(101.79,44.48) v1(102,59) v1(102,34.25) v1(101.99,15.22) v1(102.19,53.92) v1(102.19,47.62) v1(102.19,45.4) v1(102.19,14.02) v1(102.29,37.42) v1(102.39,50.72) v1(102.5,74) v1(102.49,73.02) v1(102.5,46.25) v1(102.49,30.72) v1(102.5,25.75) v1(102.49,8.52) v1(102.75,66.25) v1(102.89,67.72) v1(102.89,27.12) v1(103,59.75) v1(102.99,9.72) v1(103.19,39.32) v1(103.29,49.22) v1(103.29,33.42) v1(103.5,61.5) v1(103.49,60.52) v1(103.49,10.92) v1(103.59,14.72) v1(103.69,69.32) v1(103.69,40.02) v1(103.69,25.32) v1(103.79,66.42) v1(103.79,30.72) v1(104,65.25) v1(104,34.25) v1(104.09,67.92) v1(104.09,12.02) v1(104.19,17.22) v1(104.39,90.02) v1(104.39,89.02) v1(104.49,46.12) v1(104.49,44.22) v1(104.59,34.82) v1(104.59,13.22) v1(104.79,29.82) v1(104.79,27.92) v1(104.89,60.42) v1(104.99,66.52) v1(105,46.25) v1(105.09,14.42) v1(105.19,31.22) v1(105.26,29.34) v1(105.49,16.72) v1(105.61,30.53) v1(105.79,15.52) v1(106,61) v1(105.99,49.12) v1(106.09,34.62) v1(106.1,30.02) v1(106.19,28.42) v1(106.29,16.72) v1(106.49,20.72) v1(106.75,79) v1(106.69,39.72) v1(106.79,35.72) v1(106.79,19.02) v1(106.79,17.92) v1(106.89,54.62) v1(106.89,33.62) v1(106.99,90.12) v1(106.99,89.02) v1(106.99,46.12) v1(107.09,73.52) v1(107.09,48.32) v1(107.19,29.22) v1(107.39,59.92) v1(107.39,55.42) v1(107.5,75) v1(107.49,30.92) v1(107.49,23.62) v1(107.59,26.82) v1(107.69,45.82) v1(107.89,67.32) v1(107.99,21.42) v1(108.09,31.92) v1(108.19,74.02) v1(108.29,34.72) v1(108.39,54.72) v1(108.49,77.22) v1(108.49,75.12) v1(108.49,49.22) v1(108.69,68.12) v1(108.69,58.42) v1(108.69,28.82) v1(108.79,56.02) v1(108.79,30.92) v1(108.79,22.92) v1(108.89,26.72) v1(108.89,24.82) v1(109.09,66.22) v1(109.19,53.82) v1(109.69,49.22) v1(109.79,24.22) v1(109.89,29.52) v1(110,63) v1(109.99,32.22) v1(110.09,89.02) v1(110.09,64.32) v1(110.09,45.72) v1(110.19,66.72) v1(110.29,25.42) v1(110.49,53.82) v1(110.49,51.52) v1(110.49,42.82) v1(110.59,49.42) v1(110.59,34.72) v1(110.79,47.32) v1(110.79,26.62) v1(110.99,39.72) v1(110.99,38.02) v1(110.99,31.12) v1(111.25,62.75) v1(111.19,49.72) v1(111.29,64.32) v1(111.29,27.92) v1(111.59,45.72) v1(111.59,33.62) v1(111.79,29.12) v1(111.94,42.07) v1(112.09,50.22) v1(112.19,88.72) v1(112.29,53.72) v1(112.29,48.32) v1(112.29,30.32) v1(112.39,51.52) v1(112.39,49.72) v1(112.44,40.57) v1(112.49,87.52) v1(112.49,85.42) v1(112.49,82.62) v1(112.75,55.25) v1(112.69,47.12) v1(112.69,39.07) v1(112.79,31.52) v1(112.89,89.62) v1(113.25,37) v1(113.29,32.72) v1(113.49,87.62) v1(113.49,85.42) v1(113.5,45.75) v1(113.79,33.92) v1(113.99,73.12) v1(113.99,71.32) v1(113.99,69.52) v1(113.99,67.82) v1(113.99,66.12) v1(113.99,64.32) v1(113.99,59.12) v1(113.99,54.75) v1(113.99,53.82) v1(113.99,52.12) v1(113.99,50.32) v1(113.99,48.52) v1(113.99,46.82) v1(113.99,43.92) v1(113.99,42.72) v1(113.99,41.62) v1(113.99,40.12) v1(114.09,38.82) v1(114.09,37.62) v1(114.09,35.32)
